# KiCad board FSKGroundStation.kicad_pcb (continued)
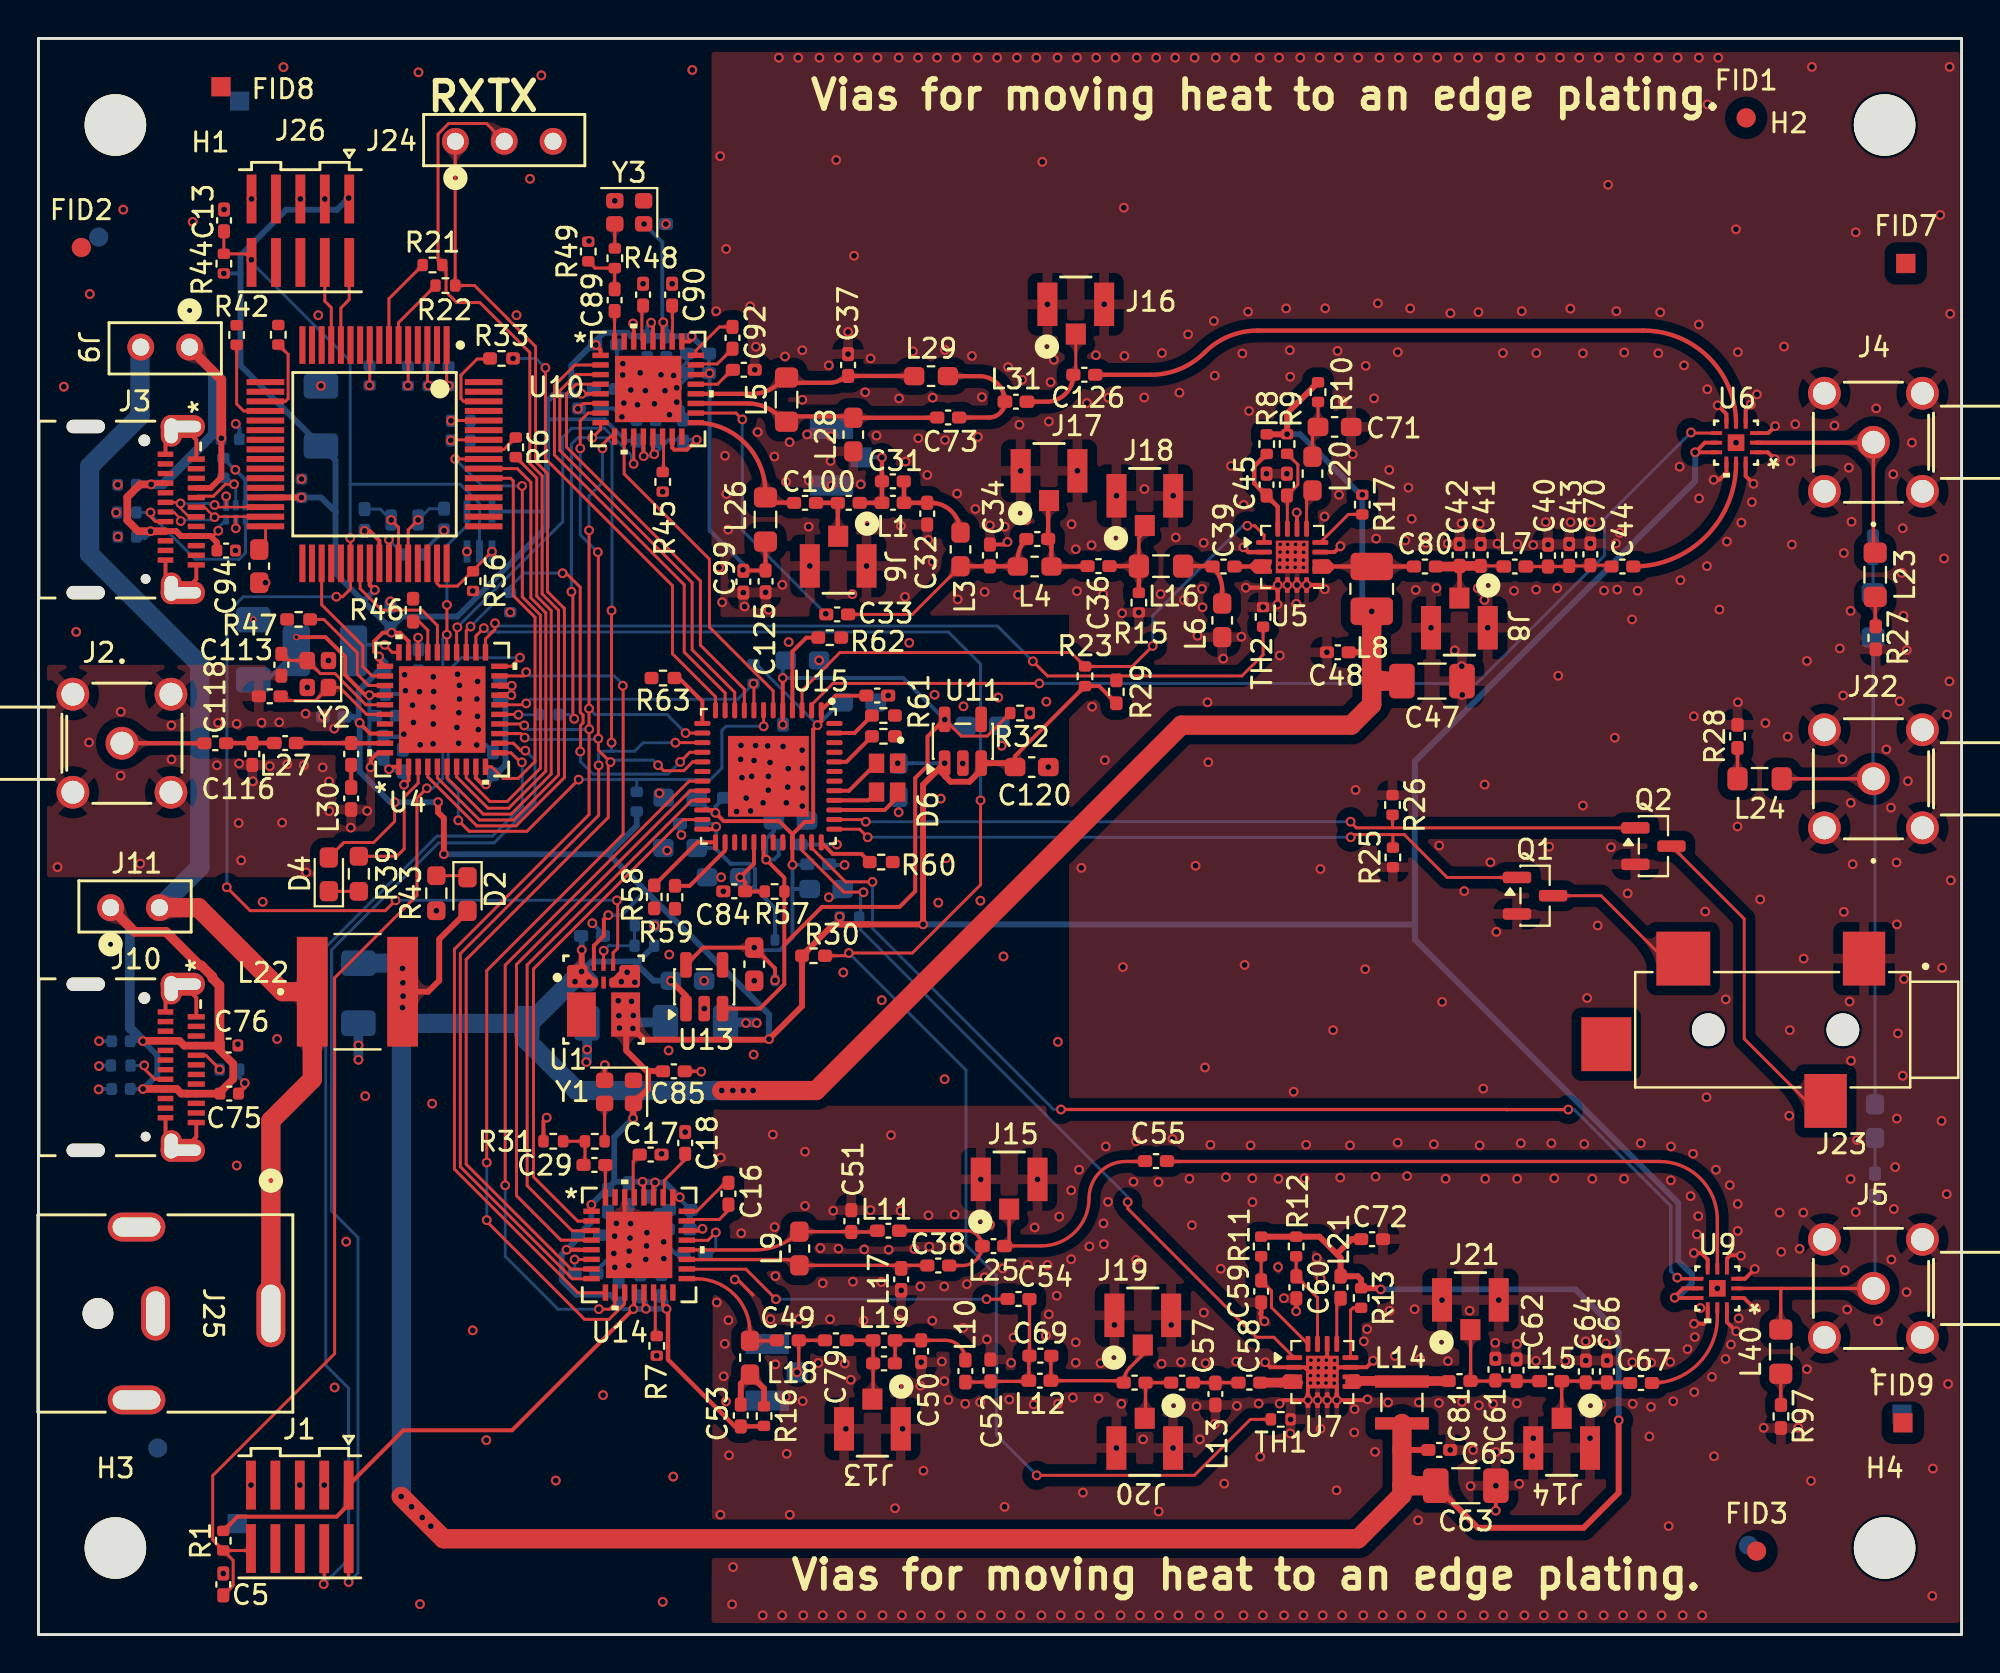
[diagram p0: board, top side]
## Placement (name value [footprint] x y rotation side) (continued)
R43  2.4KΩ  [R_0603_1608Metric_Pad0.98x0.95mm_HandSolder]  20.69 38.55 270 top
R44  10K  [R_0402_1005Metric]  9.64 71.29 270 top
R45  56K 1%  [R_0402_1005Metric]  32.46 59.94 90 top
R46  22Ω  [R_0402_1005Metric_Pad0.72x0.64mm_HandSolder]  19.48 53.27 90 top  (not fitted)
R47  0Ω  [R_0402_1005Metric_Pad0.72x0.64mm_HandSolder]  13.53 52.79 180 top  (not fitted)
R48  0Ω  [R_0402_1005Metric]  29.97 71.57 90 top
R49  0Ω  [R_0402_1005Metric]  28.59 71.92 270 top  (not fitted)
R50  0Ω  [R_0402_1005Metric]  20.28 65.44 90 bottom  (not fitted)
R51  0Ω  [R_0402_1005Metric]  21.33 65.43 90 bottom  (not fitted)
R52  0Ω  [R_0402_1005Metric]  21.96 63.12 0 bottom  (not fitted)
R53  0Ω  [R_0402_1005Metric]  21.95 62.1 0 bottom  (not fitted)
R54  0Ω  [R_0402_1005Metric]  17.22 65.47 90 bottom  (not fitted)
R55  0Ω  [R_0402_1005Metric]  19.21 65.45 90 bottom  (not fitted)
R56  10K  [R_0402_1005Metric]  22.6 54.78 270 top
R57  100  [R_0402_1005Metric]  38.28 38.64 180 top
R58  0Ω  [R_0402_1005Metric_Pad0.72x0.64mm_HandSolder]  32.02 38.36 270 top  (not fitted)
R59  0Ω  [R_0402_1005Metric_Pad0.72x0.64mm_HandSolder]  33.1 38.34 270 top  (not fitted)
R60  0Ω  [R_0402_1005Metric_Pad0.72x0.64mm_HandSolder]  43.82 40.17 0 top  (not fitted)
R61  0Ω  [R_0402_1005Metric_Pad0.72x0.64mm_HandSolder]  43.94 47.79 0 top  (not fitted)
R62  0Ω  [R_0402_1005Metric_Pad0.72x0.64mm_HandSolder]  41.15 51.84 0 top  (not fitted)
R63  0Ω  [R_0402_1005Metric_Pad0.72x0.64mm_HandSolder]  32.48 49.74 180 top  (not fitted)
R97  10K  [R_0402_1005Metric_Pad0.72x0.64mm_HandSolder]  90.61 11.34 270 top
TH1  NTCG103JF103FTDS 10KΩ@25C  [R_0402_1005Metric]  64.6 11.19 0 top
TH2  NTCG103JF103FTDS 10KΩ@25C  [R_0402_1005Metric]  63.68 52.92 90 top
U1  TPSM861253RDXR  [RDX0007A-MFG]  29.38 32.92 0 top
U3  MSPM0G5187SPMR  [PM0064A-IPC_A]  17.48 61.38 270 top
U4  CC2755P105E0WRHAR  [RHA40_4P5X4P5]  21 48.1 90 top
U5  GRF5604  [QFN-16-1EP_3x3mm_P0.5mm_EP1.7x1.7mm]  65.19 56.04 0 top
U6  SKYA21003  [QFN12_SKYA21003_SKY]  88.27 61.98 180 top
U7  GRF5604  [QFN-16-1EP_3x3mm_P0.5mm_EP1.7x1.7mm]  66.76 13.65 0 top
U8  TPD4E004DRYR  [DRY6]  10.26 58.35 270 bottom
U9  SKYA21003  [QFN12_SKYA21003_SKY]  87.3 18 180 top
U10  CC1125RHBR  [RHB32_3P45X3P45_TEX]  31.71 64.77 0 top
U11  TLV77512PDBVR  [SOT-23-5]  48.07 46.45 90 top
U12  SN74AHC1G09QDCKRQ1  [DCK5]  22.93 57.36 90 bottom
U13  TLV77533PDBVR  [SOT-23-5]  34.62 33.69 90 top
U14  CC1125RHBR  [RHB32_3P45X3P45_TEX]  31.24 20.26 0 top
U15  ICE40UP5K-SG48ITR  [QFN50P700X700X100-49N]  37.95 44.63 270 top
Y1  OW2EL89CENUXK7YLC-40M  [Oscillator_SMD_SiT_PQFN-4Pin_2.0x1.6mm]  30.19 28.22 180 top
Y2  48MHZ 7PF 20ppm  [Crystal_SMD_2016-4Pin_2.0x1.6mm]  14.53 49.95 90 top
Y3  OW2EL89CENUXK7YLC-40M  [Oscillator_SMD_SiT_PQFN-4Pin_2.0x1.6mm]  30.72 73.96 180 top
Y4  32.768KHz 12.5pF 20ppm  [Crystal_SMD_2012-2Pin_2.0x1.2mm]  19.04 57.96 0 bottom

## Library data of the parts
C1-C111 C113-C115 C119-C128 C130-C139 = -: Description: Unpolarized capacitor; ki_fp_filters: C_*
C112 C116-C118 C129 = -: ki_fp_filters: C_*
D1 = -: Datasheet: https://datasheet.lcsc.com/lcsc/2204281430_Guangdong-Hottech-1N5819WS_C191023.pdf; Description: 40V 600mV@1A 1A SOD-323 Schottky Barrier Diodes, SOD-323; ki_fp_filters: D*SOD?323*
D2 D4 = -: Description: Light emitting diode; Sim.Pins: 1=K 2=A; ki_fp_filters: LED* LED_SMD:* LED_THT:*
D6 = -: MF: Cree Inc.; MAXIMUM_PACKAGE_HEIGHT: 1 mm; Package: SMD-4 Cree Inc.; Price: None; Check_prices: https://www.snapeda.com/parts/CLMVC-FKA-CLBDGL7LBB79353/Cree/view-part/?ref=eda; STANDARD: Manufacturer Recommendations; PARTREV: 14; SnapEDA_Link: https://www.snapeda.com/parts/CLMVC-FKA-CLBDGL7LBB79353/Cree/view-part/?ref=snap; Description_1: Red, Green, Blue (RGB) 622nm Red, 530nm Green, 470nm Blue LED Indication - Discrete 2V Red, 3V Green, 3V Blue 4-SMD, J-Lead; Availability: In Stock; MANUFACTURER: Cree Inc.
FID1-FID12 = -: Description: Fiducial Marker; ki_fp_filters: Fiducial*
H1-H4 = -: Description: Mounting Hole without connection; ki_fp_filters: MountingHole*
J1 J26 = -: Description: Connector for ARM Coretex-M 10-pin JTAG; ki_fp_filters: Connector*:*_2x??_*
J2 J4 J5 J22 = -: ki_fp_filters: CONN_BWSMA-KWE-Z001_BAT
J3 J10 = -: ki_fp_filters: CX90B1-24P_HIR
J9 J11 = -: ki_fp_filters: CON2_1X2_TU_TSW
J23 = -: PARTREV: 1.03; MF: CUI Inc; STANDARD: Manufacturer recommendations
J24 = -: ki_fp_filters: CON3_1X3_TU_TSW
J25 = -: ki_fp_filters: PJ-063BH_CUD
L1-L13 L15-L21 L25 L26 L28 L29 L31 = -: Description: Inductor; ki_fp_filters: Choke_* *Coil* Inductor_* L_*
L14 = -: Description: Inductor; MF: Coilcraft; MAXIMUM_PACKAGE_HEIGHT: 2.032mm; Package: None; Check_prices: https://www.snapeda.com/parts/0908SQ-23NJLC/Coilcraft/view-part/?ref=eda; STANDARD: Manufacturer Recommendations; PARTREV: 12/21/22; SnapEDA_Link: https://www.snapeda.com/parts/0908SQ-23NJLC/Coilcraft/view-part/?ref=snap; MP: 0908SQ-23NJLC; Purchase-URL: https://www.snapeda.com/api/url_track_click_mouser/?unipart_id=1604741&manufacturer=Coilcraft&part_name=0908SQ-23NJLC&search_term=0908sq-23njlc; Description_1: RF inductor, air core, 5% tol, SMT, RoHS; MANUFACTURER: Coilcraft
L22 = -: Description: Inductor; DigiKey_Part_Number: 490-14063-1-ND; SnapEDA_Link: https://www.snapeda.com/parts/1255AY-6R8M=P3/Murata/view-part/?ref=snap; MAXIMUM_PACKAGE_HEIGHT: 4.5mm; Package: NONSTANDARD; Check_prices: https://www.snapeda.com/parts/1255AY-6R8M=P3/Murata/view-part/?ref=eda; STANDARD: Manufacturer Recommendations; PARTREV: N/A; MF: Murata; MP: 1255AY-6R8M=P3; Description_1: Inductor with Inductance: 6.8uH Tol. +/-20%, Package: 2424 (6060); MANUFACTURER: Murata
L23 L24 L27 L30 L35 L40 L44 = -: ki_fp_filters: Choke_* *Coil* Inductor_* L_*
Q1 Q2 = -: Datasheet: https://www.onsemi.com/pub/Collateral/BSS138-D.PDF; Description: 50V Vds, 0.22A Id, N-Channel MOSFET, SOT-23; ki_fp_filters: SOT?23*
R1-R26 R31-R37 R39-R63 = -: Description: Resistor; ki_fp_filters: R_*
R27-R30 R97 = -: ki_fp_filters: R_*
TH1 TH2 = -: Description: Temperature dependent resistor, negative temperature coefficient; ki_fp_filters: R_* RV_*
U1 = -: Datasheet: https://www.ti.com/lit/gpn/tpsm861253; ki_fp_filters: RDX0007A-MFG
U3 = -: Datasheet: https://www.ti.com/lit/gpn/mspm0g5187; ki_fp_filters: PM0064A-IPC_A PM0064A-IPC_B PM0064A-IPC_C PM0064A-MFG
U4 = -: Datasheet: https://www.ti.com/lit/gpn/cc2745p10; ki_fp_filters: RHA40_4P5X4P5
U5 U7 = -: Datasheet: https://www.guerrilla-rf.com/products/DataSheet?sku=5604&file_name=GRF5604DS.pdf; Description: High Efficiency 6 Watt Power Amplifier 100-600MHz; ki_fp_filters: TQFN*1EP*5x5mm*P0.8mm*
U6 U9 = -: ki_fp_filters: QFN12_SKYA21003_SKY QFN12_SKYA21003_SKY-M QFN12_SKYA21003_SKY-L
U8 = -: ki_fp_filters: DRY6
U10 U14 = -: Datasheet: https://www.ti.com/lit/gpn/cc1125; ki_fp_filters: RHB32_3P45X3P45_TEX
U11 = -: Datasheet: https://www.ti.com/product/TLV775; Description: 1.2V LDO 500ma; ki_fp_filters: SOT?23*
U12 = -: Datasheet: https://www.ti.com/lit/gpn/sn74ahc1g09-q1; ki_fp_filters: DCK5 DCK5-M DCK5-L
U13 = -: Datasheet: https://www.ti.com/product/TLV775; Description: 3.3V LDO 500ma; ki_fp_filters: SOT?23*
U15 = -: DigiKey_Part_Number: 220-2155-1-ND; SnapEDA_Link: https://www.snapeda.com/parts/ICE5LP1K-SG48ITR/Lattice+Semiconductor/view-part/?ref=snap; Description_1: iCE40 Ultra™ Field Programmable Gate Array (FPGA) IC 39 65536 1100 48-VFQFN Exposed Pad; Package: QFN-48 Lattice Semiconductor; Check_prices: https://www.snapeda.com/parts/ICE5LP1K-SG48ITR/Lattice+Semiconductor/view-part/?ref=eda; MF: Lattice Semiconductor; MP: ICE5LP1K-SG48ITR; MANUFACTURER: Lattice Semiconductor
Y1 Y3 = -: Description: TXCO 2.0mmx1.6mm; ki_fp_filters: Oscillator*SMD*EuroQuartz*XO32*3.2x2.5mm*
Y2 = -: Description: Four pin crystal, GND on pins 2 and 4; ki_fp_filters: Crystal*
Y4 = -: Description: Two pin crystal; ki_fp_filters: Crystal*

## Footprints (pads in the part's own frame, mm; a bottom-side part is the same pattern mirrored in y, then rotated)
C_0402_1005Metric
  rrect 0.56x0.62 smd: 1(-0.48,0) 2(0.48,0)
C_0402_1005Metric_Pad0.74x0.62mm_HandSolder
  rrect 0.735x0.62 smd: 1(-0.568,0) 2(0.568,0)
C_0603_1608Metric_Pad1.08x0.95mm_HandSolder
  rrect 1.075x0.95 smd: 1(-0.863,0) 2(0.863,0)
C_1206_3216Metric_Pad1.33x1.80mm_HandSolder
  rrect 1.325x1.8 smd: 1(-1.562,0) 2(1.562,0)
CON2_1X2_TU_TSW
  round 1.397 hole 0.889: 1(-1.27,0) 2(1.27,0)
CON3_1X3_TU_TSW
  round 1.397 hole 0.889: 1(-2.54,0) 2(0,0) 3(2.54,0)
CONN1_CONUFL_TEC
  rect 1.041x1.092 smd: 1(0,-1.545)
  rect 1.041x2.261 smd: 2(-1.475,0) 3(1.475,0)
CONN_BWSMA-KWE-Z001_BAT
  round 1.702 hole 1.194: 1(0,0) 2(-2.55,2.55) 3(-2.55,-2.55) 4(2.55,-2.55) 5(2.55,2.55)
Crystal_SMD_2012-2Pin_2.0x1.2mm
  rrect 0.6x1.1 smd: 1(-0.7,0) 2(0.7,0)
Crystal_SMD_2016-4Pin_2.0x1.6mm
  rrect 0.9x0.8 smd: 1(-0.7,-0.55) 2(0.7,-0.55) 3(0.7,0.55) 4(-0.7,0.55)
CUI_SJ-3524-SMT
  round 1.7 hole 1.7 unplated: (0,0) (7,0)
  rect 2.2x2.8 smd: 1(-1.1,-3.7) 3(0.9,3.7)
  rect 2.8x2.8 smd: 2(8.3,-3.7)
  rect 2.6x2.8 smd: 4(12.3,0.75)
CX90B1-24P_HIR
  round 0.61 hole 0.61 unplated: (-3.6,1.277)
  round 0.508 hole 0.85x0.508 unplated: (3.606,1.342)
  oval 1.194x2.311 hole 0.6x1.9: 25(-4.32,3.277) 26(4.32,3.277)
  oval 1.651x1.092 hole 1.3x0.7: 25(-4.095,2.677) 26(4.095,2.677)
  oval 1.295x2.591 hole 0.7x2: 27(-4.32,-1.773) 28(4.32,-1.773)
  rect 0.279x0.889 smd: A1(-2.625,3.977) A2(-2.125,3.977) A3(-1.625,3.977) A4(-1.125,3.977) A5(-0.625,3.977) A6(-0.125,3.977) A7(0.375,3.977) A8(0.875,3.977) A9(1.375,3.977) A10(1.875,3.977) A11(2.375,3.977) A12(2.875,3.977)
  rect 0.279x0.813 smd: B1(2.625,2.377) B2(2.125,2.377) B3(1.625,2.377) B4(1.125,2.377) B5(0.625,2.377) B6(0.125,2.377) B7(-0.375,2.377) B8(-0.875,2.377) B9(-1.375,2.377) B10(-1.875,2.377) B11(-2.375,2.377) B12(-2.875,2.377)
D_SOD-323
  rrect 0.6x0.45 smd: 1(-1.05,0) 2(1.05,0)
DCK5
  rect 1.168x0.356 smd: 1(-1.041,0.65) 2(-1.041,0) 3(-1.041,-0.65) 4(1.041,-0.65) 5(1.041,0.65)
DRY6
  rect 0.55x0.3 smd: 1(-0.355,0.5)
  rect 0.52x0.3 smd: 2(-0.37,0) 3(-0.37,-0.5) 4(0.37,-0.5) 5(0.37,0) 6(0.37,0.5)
Fiducial_1mm_Mask2mm
  round 1 smd: (0,0)
Fiducial_Square_1mm_Mask2mm
  rect 1x1 smd: (0,0)
FTSH-105-01-L-DV-K
  rect 0.508x2.54 smd: 1(-2.54,-1.651) 2(-2.54,1.651) 3(-1.27,-1.651) 4(-1.27,1.651) 5(0,-1.651) 6(0,1.651) 7(1.27,-1.651) 8(1.27,1.651) 9(2.54,-1.651) 10(2.54,1.651)
IND_0908SQ-23NJLC
  rect 0.64x2.8 smd: 1(-1.09,0) 2(1.09,0)
IND_1255AY-6R8M=P3
  rect 1.6x5.7 smd: 1(-2.35,0) 2(2.35,0)
L_0402_1005Metric_Pad0.77x0.64mm_HandSolder
  rrect 0.765x0.64 smd: 1(-0.573,0) 2(0.573,0)
L_0603_1608Metric_Pad1.05x0.95mm_HandSolder
  rrect 1.05x0.95 smd: 1(-0.875,0) 2(0.875,0)
L_0805_2012Metric_Pad1.05x1.20mm_HandSolder
  rrect 1.05x1.2 smd: 1(-1.15,0) 2(1.15,0)
L_1008_2520Metric_Pad1.43x2.20mm_HandSolder
  rrect 1.425x2.2 smd: 1(-1.163,0) 2(1.163,0)
L_1210_3225Metric_Pad1.42x2.65mm_HandSolder
  rrect 1.425x2.65 smd: 1(-1.488,0) 2(1.488,0)
LED_0603_1608Metric_Pad1.05x0.95mm_HandSolder
  rrect 1.05x0.95 smd: 1(-0.875,0) 2(0.875,0)
LED_CLMVC-FKA-CLBDGL7LBB79353
  rect 1x0.8 smd: 1(-0.75,0.55) 2(0.75,0.55) 3(0.75,-0.55) 4(-0.75,-0.55)
MountingHole_3.2mm_M3
  round 3.2 hole 3.2 unplated: (0,0)
Oscillator_SMD_SiT_PQFN-4Pin_2.0x1.6mm
  rrect 0.9x0.8 smd: 1(-0.75,-0.6) 2(0.75,-0.6) 3(0.75,0.6) 4(-0.75,0.6)
PJ-063BH_CUD
  round 1.6 hole 1.6 unplated: (0,-8.992)
  oval 3.505x1.499 hole 2.997x0.991: 1(0,0)
  oval 1.499x2.997 hole 0.991x2.489: 2(-4.496,-6.985) 2(4.496,-6.985)
  oval 2.819x1.499 hole 2.311x0.991: 2(0,-5.994)
PM0064A-IPC_A
  rect 1.955x0.312 smd: 1(-5.675,3.75) 2(-5.675,3.25) 3(-5.675,2.75) 4(-5.675,2.25) 5(-5.675,1.75) 6(-5.675,1.25) 7(-5.675,0.75) 8(-5.675,0.25) 9(-5.675,-0.25) 10(-5.675,-0.75) 11(-5.675,-1.25) 12(-5.675,-1.75) 13(-5.675,-2.25) 14(-5.675,-2.75) 15(-5.675,-3.25) 16(-5.675,-3.75) 33(5.675,-3.75) 34(5.675,-3.25) 35(5.675,-2.75) 36(5.675,-2.25) 37(5.675,-1.75) 38(5.675,-1.25) 39(5.675,-0.75) 40(5.675,-0.25) 41(5.675,0.25) 42(5.675,0.75) 43(5.675,1.25) 44(5.675,1.75) 45(5.675,2.25) 46(5.675,2.75) 47(5.675,3.25) 48(5.675,3.75)
  rect 0.312x1.955 smd: 17(-3.75,-5.675) 18(-3.25,-5.675) 19(-2.75,-5.675) 20(-2.25,-5.675) 21(-1.75,-5.675) 22(-1.25,-5.675) 23(-0.75,-5.675) 24(-0.25,-5.675) 25(0.25,-5.675) 26(0.75,-5.675) 27(1.25,-5.675) 28(1.75,-5.675) 29(2.25,-5.675) 30(2.75,-5.675) 31(3.25,-5.675) 32(3.75,-5.675) 49(3.75,5.675) 50(3.25,5.675) 51(2.75,5.675) 52(2.25,5.675) 53(1.75,5.675) 54(1.25,5.675) 55(0.75,5.675) 56(0.25,5.675) 57(-0.25,5.675) 58(-0.75,5.675) 59(-1.25,5.675) 60(-1.75,5.675) 61(-2.25,5.675) 62(-2.75,5.675) 63(-3.25,5.675) 64(-3.75,5.675)
QFN12_SKYA21003_SKY
  rect 0.584x0.203 smd: 1(-1.016,0.5) 2(-1.016,0) 3(-1.016,-0.5) 7(1.016,-0.5) 8(1.016,0) 9(1.016,0.5)
  rect 0.203x0.584 smd: 4(-0.5,-1.016) 5(0,-1.016) 6(0.5,-1.016) 10(0.5,1.016) 11(0,1.016) 12(-0.5,1.016)
  rect 0.864x0.864 smd: 13(0,0)
QFN50P700X700X100-49N
  rrect 0.84x0.26 smd: 1(-3.435,2.75) 2(-3.435,2.25) 3(-3.435,1.75) 4(-3.435,1.25) 5(-3.435,0.75) 6(-3.435,0.25) 7(-3.435,-0.25) 8(-3.435,-0.75) 9(-3.435,-1.25) 10(-3.435,-1.75) 11(-3.435,-2.25) 12(-3.435,-2.75) 25(3.435,-2.75) 26(3.435,-2.25) 27(3.435,-1.75) 28(3.435,-1.25) 29(3.435,-0.75) 30(3.435,-0.25) 31(3.435,0.25) 32(3.435,0.75) 33(3.435,1.25) 34(3.435,1.75) 35(3.435,2.25) 36(3.435,2.75)
  rrect 0.26x0.84 smd: 13(-2.75,-3.435) 14(-2.25,-3.435) 15(-1.75,-3.435) 16(-1.25,-3.435) 17(-0.75,-3.435) 18(-0.25,-3.435) 19(0.25,-3.435) 20(0.75,-3.435) 21(1.25,-3.435) 22(1.75,-3.435) 23(2.25,-3.435) 24(2.75,-3.435) 37(2.75,3.435) 38(2.25,3.435) 39(1.75,3.435) 40(1.25,3.435) 41(0.75,3.435) 42(0.25,3.435) 43(-0.25,3.435) 44(-0.75,3.435) 45(-1.25,3.435) 46(-1.75,3.435) 47(-2.25,3.435) 48(-2.75,3.435)
  rect 4.2x4.2 smd: 49(0,0)
QFN-16-1EP_3x3mm_P0.5mm_EP1.7x1.7mm
  rrect 0.69x0.69 smd: (-0.425,0.425) (-0.425,-0.425) (0.425,0.425) (0.425,-0.425)
  rrect 0.825x0.25 smd: 1(-1.462,0.75) 2(-1.462,0.25) 3(-1.462,-0.25) 4(-1.462,-0.75) 9(1.462,-0.75) 10(1.462,-0.25) 11(1.462,0.25) 12(1.462,0.75)
  rrect 0.25x0.825 smd: 5(-0.75,-1.462) 6(-0.25,-1.462) 7(0.25,-1.462) 8(0.75,-1.462) 13(0.75,1.462) 14(0.25,1.462) 15(-0.25,1.462) 16(-0.75,1.462)
  rect 1.7x1.7 smd: 17(0,0)
R_0402_1005Metric
  rrect 0.54x0.64 smd: 1(-0.51,0) 2(0.51,0)
R_0402_1005Metric_Pad0.72x0.64mm_HandSolder
  rrect 0.715x0.64 smd: 1(-0.598,0) 2(0.598,0)
R_0603_1608Metric_Pad0.98x0.95mm_HandSolder
  rrect 0.975x0.95 smd: 1(-0.912,0) 2(0.912,0)
RDX0007A-MFG
  custom 1.61x1.175 smd: 1(-1.362,1.312) 4(1.34,1.28)
  rect 1.5x2.3 smd: 2(-1.15,-0.675) 3(1.15,-0.675)
  rect 0.22x0.6 smd: 5(0.5,1.9) 6(0,1.9) 7(-0.5,1.9)
RHA40_4P5X4P5
  rect 0.85x0.28 smd: 1(-2.975,2.25) 2(-2.975,1.75) 3(-2.975,1.25) 4(-2.975,0.75) 5(-2.975,0.25) 6(-2.975,-0.25) 7(-2.975,-0.75) 8(-2.975,-1.25) 9(-2.975,-1.75) 10(-2.975,-2.25) 21(2.975,-2.25) 22(2.975,-1.75) 23(2.975,-1.25) 24(2.975,-0.75) 25(2.975,-0.25) 26(2.975,0.25) 27(2.975,0.75) 28(2.975,1.25) 29(2.975,1.75) 30(2.975,2.25)
  rect 0.28x0.85 smd: 11(-2.251,-2.975) 12(-1.75,-2.975) 13(-1.25,-2.975) 14(-0.75,-2.975) 15(-0.25,-2.975) 16(0.25,-2.975) 17(0.75,-2.975) 18(1.25,-2.975) 19(1.75,-2.975) 20(2.251,-2.975) 31(2.251,2.975) 32(1.75,2.975) 33(1.25,2.975) 34(0.75,2.975) 35(0.25,2.975) 36(-0.25,2.975) 37(-0.75,2.975) 38(-1.25,2.975) 39(-1.75,2.975) 40(-2.251,2.975)
  rect 4.5x4.5 smd: 41(0,0)
RHB32_3P45X3P45_TEX
  rect 0.85x0.28 smd: 1(-2.475,1.75) 2(-2.475,1.25) 3(-2.475,0.75) 4(-2.475,0.25) 5(-2.475,-0.25) 6(-2.475,-0.75) 7(-2.475,-1.25) 8(-2.475,-1.75) 17(2.475,-1.75) 18(2.475,-1.25) 19(2.475,-0.75) 20(2.475,-0.25) 21(2.475,0.25) 22(2.475,0.75) 23(2.475,1.25) 24(2.475,1.75)
  rect 0.28x0.85 smd: 9(-1.75,-2.475) 10(-1.25,-2.475) 11(-0.75,-2.475) 12(-0.25,-2.475) 13(0.25,-2.475) 14(0.75,-2.475) 15(1.25,-2.475) 16(1.75,-2.475) 25(1.75,2.475) 26(1.25,2.475) 27(0.75,2.475) 28(0.25,2.475) 29(-0.25,2.475) 30(-0.75,2.475) 31(-1.25,2.475) 32(-1.75,2.475)
  rect 3.45x3.45 smd: 33(0,0)
SOT-23
  rrect 1.475x0.6 smd: 1(-0.938,0.95) 2(-0.938,-0.95) 3(0.938,0)
SOT-23-5
  rrect 1.325x0.6 smd: 1(-1.137,0.95) 2(-1.137,0) 3(-1.137,-0.95) 4(1.137,-0.95) 5(1.137,0.95)

## Nets
+3.3V: C2.2 C3.2 C4.2 C7.2 C8.2 C9.2 C12.1 C19.2 C20.2 C21.2 C22.2 C23.2 C24.2 C25.2 C26.2 C27.2 C53.2 C83.2 C85.2 C87.2 C97.2 C98.2 C99.2 C101.2 C102.2 C103.2 C104.2 C105.2 C106.2 C107.2 C120.2 C121.2 C125.2 C139.2 D4.2 D6.1 J1.1 J26.1 L26.2 R1.2 R16.2 R23.2 R24.2 R29.1 R30.1 R36.2 R44.2 R56.2 U1.3 U1.7 U3.29 U3.40 U4.9 U4.17 U4.18 U4.29 U4.31 U4.38 U6.8 U6.9 U9.8 U9.9 U10.1 U10.5 U10.12 U10.13 U10.15 U10.22 U10.25 U10.27 U10.28 U11.1 U11.3 U12.5 U14.1 U14.5 U14.12 U14.13 U14.15 U14.22 U14.25 U14.27 U14.28 Y1.4 Y3.4
+5V: C1.1 C11.1 C47.2 C48.2 C63.2 C65.2 C72.2 C78.2 C123.2 D2.2 L8.2 L14.1 L21.2 L22.2 R2.2 R8.2 R9.1 R10.1 R11.2 R12.2 R13.1 R17.1 U1.1 U13.1
+5Vin: J9.2 J11.2 J25.1 L22.1
/CPU/VDDR: C15.2 C108.2 C109.2 C110.2 L2.1 U4.1 U4.2 U4.34
GND: C1.2 C2.1 C3.1 C4.1 C5.1 C6.1 C7.1 C8.1 C9.1 C10.1 C11.2 C12.2 C13.1 C14.1 C15.1 C17.1 C18.1 C19.1 C20.1 C21.1 C22.1 C23.1 C24.1 C25.1 C26.1 C27.1 C28.1 C32.1 C34.1 C37.1 C40.1 C41.1 C42.1 C43.1 C45.1 C46.1 C47.1 C48.1 C50.1 C51.1 C52.1 C59.1 C60.1 C61.1 C62.1 C63.1 C64.1 C65.1 C66.1 C70.1 C71.1 C72.1 C74.2 C75.2 C76.2 C77.2 C78.1 C82.1 C83.1 C84.1 C85.1 C86.1 C87.1 C88.1 C90.1 C91.1 C93.2 C94.2 C95.2 C96.2 C97.1 C98.1 C99.1 C101.1 C102.1 C103.1 C104.1 C105.1 C106.1 C107.1 C108.1 C109.1 C110.1 C111.1 C113.1 C114.1 C115.1 C116.1 C119.1 C120.1 C121.1 C122.1 C123.1 C124.1 C125.1 C127.1 C128.1 C130.1 C131.1 C132.1 C133.1 C134.1 C135.1 C136.1 C137.1 C138.1 C139.1 J1.3 J1.5 J1.9 J2.2 J2.3 J2.4 J2.5 J3.25 J3.26 J3.27 J3.28 J3.A1 J3.A12 J3.B1 J3.B12 J4.2 J4.3 J4.4 J4.5 J5.2 J5.3 J5.4 J5.5 J6.2 J6.3 J7.2 J7.3 J8.2 J8.3 J10.25 J10.26 J10.27 J10.28 J10.A1 J10.A12 J10.B1 J10.B12 J12.2 J12.3 J13.2 J13.3 J14.2 J14.3 J15.2 J15.3 J16.2 J16.3 J17.2 J17.3 J18.2 J18.3 J19.2 J19.3 J20.2 J20.3 J21.2 J21.3 J22.2 J22.3 J22.4 J22.5 J23.1 J24.3 J25.2 J26.3 J26.5 J26.9 L6.1 L13.1 L17.1 L28.1 L30.1 Q1.2 Q2.2 R3.1 R4.1 R5.1 R7.1 R15.1 R18.1 R19.1 R25.1 R26.1 R27.2 R28.2 R31.1 R32.1 R34.1 R40.1 R43.2 R45.1 R49.1 R97.2 TH1.2 TH2.2 U1.4 U3.41 U4.40 U4.41 U5.2 U5.5 U5.6 U5.7 U5.8 U5.11 U5.14 U5.17 U6.1 U6.3 U6.4 U6.6 U6.10 U6.12 U6.13 U7.2 U7.5 U7.6 U7.7 U7.8 U7.11 U7.14 U7.17 U8.3 U9.1 U9.3 U9.4 U9.6 U9.10 U9.12 U9.13 U10.30 U10.33 U11.2 U12.3 U13.2 U14.30 U14.33 U15.49 Y1.2 Y2.2 Y2.4 Y3.2
2.4G_ANT: C117.2 L27.1 U4.39
32.768KHz: U3.39 U4.26
144_PA: C30.1 C100.2 J6.1
144_PA_TEMP: R29.2 TH2.1 U4.21
144_RF_N: C37.2 L5.2 L29.1 U10.20
144_RF_P: C73.1 L5.1 L28.2 U10.19
144_SWITCH: U6.7 U15.2
144_TRX_SW: C33.1 U10.18
144MHz_TX_ENABLE: R23.1 U5.1 U15.3
440_PA: C49.2 C79.1 J12.1
440_PA_TEMP: R30.2 TH1.1 U4.22
440_RX_N: C51.2 L9.2 L11.1 U14.20
440_RX_P: C38.1 L9.1 L17.2 U14.19
440_SWITCH: U9.7 U15.35
440_TRX_SW: C54.1 U14.18
440MHz_TX_ENABLE: R24.1 U7.1 U15.34
/144MHz/144_RX: C126.2 U6.5
/144MHz/144_TX: C44.2 U6.11
/440MHz/440_RX: C55.2 U9.5
/440MHz/440_TX: C67.2 U9.11
/CPU/CPU_RESET2_N: C5.2 J1.10 R1.1 U4.25 U12.4
/FPGA/FPGA_2.5V: C137.2 C138.2 D1.1 U15.24
/FPGA/FPGA_3.3V: C124.2 C131.2 C132.2 C133.2 C134.2 C135.2 C136.2 D1.2 R35.2 U13.5 U15.1 U15.22 U15.33
/FPGA/FPGA_VCC: C119.2 C122.2 C127.2 C128.2 C130.2 R32.2 R57.1 U11.5 U13.3 U15.5 U15.30
/USB/USB+: J3.A6 J3.B6 U3.31 U8.5
/USB/USB-: J3.A7 J3.B7 U3.30 U8.1
CPU_RESET_N: R56.1 U3.47 U12.1
FPGA_CDONE/IRQ_N: R36.1 U4.20 U15.7
FPGA_CLK: R33.2 U15.12
FPGA_RESET_N: R35.1 U4.16 U15.8
FPGA_SPI_SSEL: R34.2 U4.23 U15.16
RADIO1_GPIO0: U10.10 U15.6
RADIO1_GPIO2: U10.4 U15.9
RADIO1_GPIO3: U10.3 U15.10
RADIO1_RESET_N: U10.2 U15.11
RADIO1_SPI_SSEL: U4.24 U10.11
RADIO2_GPIO0: U14.10 U15.19
RADIO2_GPIO2: U14.4 U15.20
RADIO2_GPIO3: U14.3 U15.21
RADIO2_RESET_N: U14.2 U15.23
RADIO2_SPI_SSEL: U4.19 U14.11
RADIO_SPI_MISO: U4.14 U10.9 U14.9 U15.14
RADIO_SPI_MOSI: U4.13 U10.7 U14.7 U15.17
RADIO_SPI_SCLK: R20.1 U10.8 U14.8 U15.15
RESET_N: C13.2 J26.10 R44.1 U1.5 U3.38 U12.2
RF_144: C112.1 J4.1 L23.1 U6.2
RF_440: C129.2 J5.1 L40.1 U9.2
SWDCK: J1.4 U4.11
SWDIO: J1.2 U4.12
TX_144_ON: Q2.1 R26.2 U15.38
TX_440_ON: Q1.1 R25.2 U15.37
USB_DATA_READY: U3.35 U4.32
USB_RX: J24.1 R22.2 U4.4
USB_SPI_MISO: U3.56 U4.8
USB_SPI_MOSI: U3.55 U4.7
USB_SPI_SCLK: R6.2 U4.6
USB_SPI_SSEL: U3.54 U4.10
USB_TX: J24.2 R21.2 U4.5
USB_VBUS: C93.1 C94.1 C95.1 C96.1 J3.A4 J3.A9 J3.B4 J3.B9 J9.1 U8.6
Net-(C29-Pad2): C29.2 R14.1 R31.2
Net-(C31-Pad2): C31.2 C32.2 L1.2 L3.1
Net-(C33-Pad2): C33.2 C34.2 C35.1 L3.2 L4.1
Net-(C38-Pad2): C38.2 L11.2 L25.1
Net-(C39-Pad1): C39.1 L6.2 L16.2
Net-(C39-Pad2): C39.2 U5.3 U5.4
Net-(C40-Pad2): C40.2 C43.2 C44.1 C70.2 L7.2
Net-(C50-Pad2): C50.2 C68.2 L10.1 L19.2
Net-(C52-Pad2): C52.2 C54.2 C69.1 L10.2 L12.1
Net-(C53-Pad1): C53.1 L18.2 R16.1
Net-(C57-Pad2): C57.2 C58.1 L13.2
Net-(C58-Pad2): C58.2 U7.3 U7.4
Net-(C71-Pad2): C71.2 L20.2 R10.2
Net-(C73-Pad2): C73.2 L29.2 L31.1
Net-(C74-Pad1): C74.1 C75.1 C76.1 C77.1 J10.A4 J10.A9 J10.B4 J10.B9 J11.1
Net-(C80-Pad1): C80.1 L8.1 U5.9 U5.10
Net-(C81-Pad1): C81.1 L14.2 U7.9 U7.10
Net-(C89-Pad2): C89.2 R48.1 R49.2
Net-(C112-Pad2): C112.2 L35.1
Net-(C116-Pad2): C116.2 C118.1 L27.2
Net-(C117-Pad1): C117.1 L30.2
Net-(C118-Pad2): C118.2 J2.1
Net-(C129-Pad1): C129.1 L44.2
Net-(D2-K): D2.1 R43.1
Net-(D4-K): D4.1 R39.1
Net-(J3-CC1): J3.A5 R5.2 U8.2
Net-(J3-CC2): J3.B5 R4.2 U8.4
Net-(J7-In): C30.2 C31.1 J7.1 L1.1
Net-(J8-In): C41.2 C42.2 C80.2 J8.1 L7.1
Net-(J10-CC1): J10.A5 R18.2
Net-(J10-CC2): J10.B5 R19.2
Net-(J13-In): C68.1 C79.2 J13.1 L19.1
Net-(J14-In): C64.2 C66.2 C67.1 J14.1 L15.2
Net-(J15-In): C55.1 J15.1 L25.2
Net-(J16-In): C126.1 J16.1 L31.2
Net-(J17-In): C35.2 C36.1 J17.1 L4.2
Net-(J18-In): C36.2 J18.1 L16.1 R15.2
Net-(J19-In): C56.1 C69.2 J19.1 L12.2
Net-(J20-In): C56.2 C57.1 J20.1
Net-(J21-In): C61.2 C62.2 C81.2 J21.1 L15.1
Net-(J22-Pad1): J22.1 L24.1 L35.2 L44.1
Net-(J26-TCK): J26.4 U3.13
Net-(J26-TMS): J26.2 U3.12
Net-(L23-Pad2): L23.2 R27.1
Net-(L24-Pad2): L24.2 R28.1
Net-(L40-Pad2): L40.2 R97.1
Net-(Q1-D): J23.2 Q1.3
Net-(Q2-D): J23.3 Q2.3
Net-(U1-EN): R2.1 R3.2 U1.6
Net-(U3-PA2_ROSC): R40.2 U3.42
Net-(U3-PA3_LFXIN): C114.2 U3.43 Y4.1
Net-(U3-PA4_LFCLK_IN_LFXOUT): C115.2 U3.44 Y4.2
Net-(U3-PA11): R6.1 U3.57
Net-(U3-PA12_A0_18): R55.1 U3.5
Net-(U3-PA13_A0_17): R22.1 U3.6
Net-(U3-PA14_A0_16): R21.1 U3.7
Net-(U3-PA16_A0_14): R54.1 U3.9
Net-(U3-PB6): R53.1 U3.58
Net-(U3-PB8): R52.1 U3.60
Net-(U3-PB10): R33.1 U3.62
Net-(U3-PB13): R51.1 U3.1
Net-(U3-PB15_A0_20): R50.1 U3.3
Net-(U3-PB20_A0_6): R41.1 U3.19
Net-(U3-PB21_A0_25): R42.1 U3.20
Net-(U3-VCORE): C10.2 U3.32
Net-(U4-DCDC_SW): L2.2 U4.30
Net-(U4-DIO0): R39.2 U4.3
Net-(U4-DIO15): R20.2 U4.15
Net-(U4-DIO24_X32N): R46.1 U4.27
Net-(U4-DIO28_A0): R47.1 U4.33
Net-(U4-VDDD): C6.2 U4.28
Net-(U4-X48N): C111.2 U4.36 Y2.1
Net-(U4-X48P): C113.2 U4.35 Y2.3
Net-(U5-BIAS): R17.2 U5.12
Net-(U5-VCC1): L20.1 U5.13
Net-(U5-VENABLE1): C45.2 R8.1 U5.16
Net-(U5-VENABLE2): C46.2 R9.2 U5.15
Net-(U7-BIAS): R13.2 U7.12
Net-(U7-VCC1): L21.1 U7.13
Net-(U7-VENABLE1): C59.2 R11.1 U7.16
Net-(U7-VENABLE2): C60.2 R12.1 U7.15
Net-(U10-DCPL): C86.2 U10.6
Net-(U10-DCPL_PFD_CHP): C90.2 U10.26
Net-(U10-DCPL_VCO): C88.2 U10.21
Net-(U10-DCPL_XOSC): C91.2 U10.29
Net-(U10-EXT_XOSC): C89.1 U10.32
Net-(U10-LPF0): C92.1 U10.23
Net-(U10-LPF1): C92.2 U10.24
Net-(U10-PA): C100.1 L26.1 U10.17
Net-(U10-RBIAS): R45.2 U10.14
Net-(U14-DCPL): C28.2 U14.6
Net-(U14-DCPL_PFD_CHP): C18.2 U14.26
Net-(U14-DCPL_VCO): C14.2 U14.21
Net-(U14-DCPL_XOSC): C17.2 U14.29
Net-(U14-EXT_XOSC): C29.1 U14.32
Net-(U14-LPF0): C16.1 U14.23
Net-(U14-LPF1): C16.2 U14.24
Net-(U14-PA): C49.1 L18.1 U14.17
Net-(U14-RBIAS): R7.2 U14.14
Net-(U15-IOB_2A): R61.1 U15.47
Net-(U15-IOB_3B_G6): R37.1 U15.44
Net-(U15-IOB_8A): R62.1 U15.4
Net-(U15-IOB_24A): R63.1 U15.13
Net-(U15-IOT_36B): R58.1 U15.25
Net-(U15-IOT_39A): R59.1 U15.26
Net-(U15-IOT_48B): R60.1 U15.36
Net-(U15-RGB0): D6.4 U15.41
Net-(U15-RGB1): D6.3 U15.40
Net-(U15-RGB2): D6.2 U15.39
Net-(U15-VCCPLL): C82.2 C84.2 R57.2 U15.29
Net-(Y1-OUT): R14.2 Y1.3
Net-(Y3-OUT): R48.2 Y3.3

Pads without a net: J1 6 7 8; J3 A2 A3 A8 A10 A11 B2 B3 B8 B10 B11; J10 A2 A3 A6 A7 A8 A10 A11 B2 B3 B6 B7 B8 B10 B11; J23 4; J26 6 7 8; R37 2; R41 2; R42 2; R46 2; R47 2; R50 2; R51 2; R52 2; R53 2; R54 2; R55 2; R58 2; R59 2; R60 2; R61 2; R62 2; R63 2; U1 2; U3 2 4 8 10 11 14 15 16 17 18 21 22 23 24 25 26 27 28 33 34 36 37 45 46 48 49 50 51 52 53 59 61 63 64; U4 37; U10 16 31; U11 4; U13 4; U14 16 31; U15 18 27 28 31 32 42 43 45 46 48; Y1 1; Y3 1

## Via types
v1: diameter 0.508, hole 0.305, Top Components.Cu to BackComponets.Cu, 1082 vias
v2: diameter 0.338, hole 0.203, Top Components.Cu to BackComponets.Cu, 34 vias

## Routing (per net, layer and track width the routed paths; a pad name or vN(x,y) marks a point on that pad's centre or on a via; arc(x,y) is an arc through that point)
+3.3V: length 394.4
  Top Components.Cu w0.152: D4.2 15.7,41.01 ; 15.7,41.01 15.88,41.19 ; 15.7,41.01 15.88,41.19 ; 15.88,41.19 17.43,41.19 18.52,42.28 v1(18.52,43.28)
  Top Components.Cu w0.203: U4.29 19.25,51.65 18.8,52.1 v1(18.36,52.1) 17.91,52.1 17.46,51.65 17.46,51.11 v1(17.71,50.86) 17.71,50.66 U4.31 ; v1(31.47,61.28) 31.45,61.3 U10.12 ; 16.13,6.76 15.5,6.13 10.35,6.13 R1.2 ; 31.48,22.72 31.48,23.41 31.41,23.48 v1(31.41,23.54) ; U4.38 17.25,46.85 16.7,47.4 v1(16.7,47.41) ; U10.15 32.96,61.72 33.06,61.62 33.72,61.62 v1(34.23,62.13) ; 37.8,57.11 37.8,55.82 37.81,55.81 C125.2 36.7,55.33 ; U9.9 85.1,17.5 v1(85.09,17.52) 85.06,17.54 85.52,18 U9.8 ; v1(34.9,65.59) 34.83,65.52 U10.22 ; v1(32.49,68.24) 32.46,68.21 U10.27 ; 28.75,22 v1(28.75,22.35) ; v1(23.27,44.21) 23.09,44.21 22.74,44.55 U4.9 ; U10.25 33.86,67.24 33.97,67.34 v1(33.97,67.52) ; 28.75,20 28.13,20 28.12,20.01 v1(27.46,20.01) 27.46,20.01 U14.5 ; v1(32.66,16.93) 32.65,16.93 32.48,17.1 32.48,17.78 ; v1(33.35,22.74) 33.33,22.72 32.98,22.72 ; J1.1 18.98,10.62 24.63,10.62 v1(30.93,16.93) 30.93,17.04 30.97,17.08 30.97,17.78 ; v1(31.86,68.22) 31.96,68.12 U10.28 ; 31.98,22.72 31.98,23.38 32.06,23.46 v1(32.06,23.51) ; R29.1 55.15,49.32 R23.2 50.78,45.69 C120.2 ; v1(34.53,21.1) 34.43,21 33.7,21 ; v1(17.49,54.32) 17.25,54.56 17.23,54.56 ; v1(41.66,37.33) 41.66,36.93 ; v1(31.59,16.94) 31.48,17.05 31.48,17.78 ; v1(29.63,37.41) 29.4,37.18 29.4,36.34 28.88,35.82 U1.7 ; 17.23,54.56 17.38,54.41 ; 17.23,54.56 U3.40 ; U10.13 31.96,61.44 v1(32.02,61.38) ; v1(28.98,67.06) 29.23,66.81 U10.1 ; U6.9 v1(86.15,61.48) 86.65,61.98 U6.8 ; U10.5 v1(28.25,64.52)
  Top Components.Cu w0.225: 37.7,10.82 C53.2 36.21,10.82 32.74,14.3 32.74,16.85 v1(32.66,16.93)
  Top Components.Cu w0.305: 31.7,29.24 31.7,28.38 Y1.4 ; 31.7,29.24 30.57,30.37 30.57,32.76 ; 31.7,29.24 31.77,29.31 32.38,29.31 ; 49.02,44.95 48.41,44.35 47.43,44.35 47.12,44.65 v1(47.12,45.31) 46,44.19 v1(46,36.93) 43.17,36.93 ; v1(24.61,49.34) 23.98,49.34 U4.18 ; 43.17,36.93 41.33,36.93 R30.1 39.7,32.67 v1(37.99,30.96) 37.96,30.93 31.5,30.93 v1(30.91,31.52) ; 43.17,36.93 41.66,36.93 ; v1(20.78,43.29) 20.78,42.75 21.08,42.45 v1(21.08,40.58) ; v1(13.68,59.13) U3.29 ; v1(30.92,26.85) 30.92,27.6 ; v1(24.59,48.85) U4.17 ; U11.3 50.58,45.31
  GND2.Cu w0.305: v1(23.27,44.21) 22.35,43.29 v1(20.78,43.29)
  BackComponets.Cu w0.203: v1(29.63,37.41) 30.31,37.41 31.57,38.67 ; v1(32.06,23.51) 32.06,23.13 C21.2 ; v1(47.12,45.31) 45.45,45.31 45.45,45.31 v1(44.68,45.31) ; C24.2 31.59,17.31 v1(31.59,16.94) ; C19.2 30.47,16.93 v1(30.93,16.93) ; C27.2 33.35,22.65 v1(33.35,22.74) ; v1(32.66,16.93) 32.66,17.35 C23.2 ; v1(36.64,55.36) 36.64,55.67 34.9,57.41 v1(34.9,65.59) ; 22.85,54.01 22.84,54.01 v1(22.58,54.27) ; C98.2 31.66,68.02 v1(31.86,68.22) ; C97.2 28.56,64.45 28.32,64.45 v1(28.25,64.52) ; C106.2 34.87,65.61 ; C105.2 32.65,68.08 v1(32.49,68.24) 32.44,68.29 32.44,72.4 v1(31.49,73.35) ; 27.97,20.68 27.97,20.52 v1(27.46,20.01) ; v1(34.23,62.13) 32.77,62.13 v1(32.02,61.38) 31.92,61.28 v1(31.47,61.28) 31.47,61.71 C103.2 30.55,62.08 29.43,63.19 26.48,63.19 26.44,63.16 ; v1(9.64,70.78) 10.51,70.78 ; 26.44,58.44 26.4,58.4 U12.5 ; v1(34.53,21.1) 33.89,21.1
  BackComponets.Cu w0.225: v1(30.18,32.18) 30.19,32.19 v1(30.93,32.19) ; v1(30.18,32.18) 30.18,31.57 v1(30.21,31.54) 30.89,31.54 v1(30.91,31.52) 30.91,32.17 v1(30.93,32.19) ; v1(30.18,32.18) 30.18,32.93 v1(30.15,32.96) 30.81,32.96 v1(30.84,32.93) 30.84,32.28 v1(30.93,32.19)
  BackComponets.Cu w0.305: v1(86.15,61.48) 86.15,59.98 71.57,45.4 71.57,36.91 ; v1(16.7,47.41) 16.65,47.46 16.65,49.08 16.98,49.41 16.98,49.41 17.62,50.05 C3.2 18.04,50.53 v1(17.71,50.86) ; v1(16.7,47.41) 16.38,47.73 C8.2 ; v1(16.7,47.41) 16.7,44.88 18.3,43.28 v1(18.52,43.28) 20.77,43.28 v1(20.78,43.29) ; 31.7,23.54 32.03,23.54 v1(32.06,23.51) 32.58,23.51 v1(33.35,22.74) ; 31.7,23.54 v1(31.41,23.54) ; 31.7,23.54 29.94,23.54 ; v1(46,36.93) 71.55,36.93 71.57,36.91 ; 31.25,67.51 C98.2 ; 31.25,67.51 30.81,67.51 30.62,67.7 29.41,67.7 27.71,66 27.71,64.45 ; 31.25,67.51 31.25,67.52 32.19,67.52 ; C19.2 29.72,17.67 27.96,17.67 27.21,18.42 27.21,19.76 v1(27.46,20.01) 28.06,20.61 ; 15.45,58.38 15.45,61.05 C121.2 10.51,65.99 10.51,71.72 12.88,74.09 15.52,74.09 v1(16.13,74.7) ; 15.45,58.38 15.45,55.18 16.88,53.75 ; 15.45,58.38 14.7,59.13 v1(13.68,59.13) ; 16.88,53.75 16.92,53.75 v1(17.49,54.32) ; 16.88,53.75 C4.2 18.91,52.94 21.78,52.94 26.44,57.6 26.44,64.14 26.76,64.45 27.71,64.45 ; 27.71,64.45 28.18,64.45 v1(28.25,64.52) ; 71.57,36.91 71.57,36.14 85.27,22.44 85.27,19.44 85.98,18.73 85.98,18.27 85.23,17.52 v1(85.09,17.52) ; v1(24.61,49.34) 24.59,49.32 v1(24.59,48.85) 24.36,48.85 24.29,48.78 24.29,45.23 v1(23.27,44.21) ; v1(24.61,49.34) 24.25,49.34 C7.2 ; v1(24.61,49.34) 24.63,49.36 ; 29.66,40.58 29.66,40.61 31.11,42.06 R36.2 ; 29.66,40.58 34.93,35.31 34.93,35.31 35.26,34.98 35.26,34.98 37.99,32.25 v1(37.99,30.96) ; 29.66,40.58 v1(21.08,40.58) ; C22.2 33.86,22.03 ; 29.94,23.54 v1(28.75,22.35) 28.75,21.45 C20.2 ; 29.94,23.54 29.94,25.87 v1(30.92,26.85) ; 32.19,67.52 C105.2 ; 32.19,67.52 v1(33.97,67.52) C106.2 ; v1(30.93,16.93) 31.58,16.93 v1(31.59,16.94) 32.65,16.94 v1(32.66,16.93)
  BackComponets.Cu w0.5: C12.1 30.94,31.83 30.91,31.8
+5V: length 246.2
  Top Components.Cu w0.305: D2.2 20.84,36.16 20.84,34.01 20.26,33.43 L22.2 ; 67.51,19.78 67.71,19.59 L21.2 68.61,18.63 68.78,18.46 R13.1 69.74,18.01 v1(69.8,17.95) ; 67.51,19.78 66.61,20.69 R12.2 R11.2 ; 67.51,19.78 68.29,20.56 C72.2 ; v1(32.89,34) 33.67,33.22 U13.1 ; 69.33,51.14 69.27,51.08 C48.2 ; v1(82.17,11.14) 82.17,7.37 80.35,5.55 74.85,5.55 C63.2 ; R8.2 64.93,62.41 ; R10.1 64.93,63.51 v1(64.93,62.42) ; C65.2 70.9,9.6 ; v1(28.25,35.6) 28.25,34.49
  Top Components.Cu w1: v1(18.86,7.18) 21.06,4.98 68.62,4.98 70.9,7.26 70.9,7.78 ; C47.2 69.87,49.58 69.83,49.62 69.33,49.62 ; C63.2 71.47,7.74 71.43,7.78 70.9,7.78 ; 69.33,49.62 v1(69.33,53.21) ; 69.33,49.62 69.33,48.36 68.26,47.29 59.43,47.29 40.43,28.29 v1(35.53,28.29) ; 70.9,7.78 L14.1
  BackComponets.Cu w0.305: R2.2 31.2,35 30.98,35 ; 30.98,35 28.76,35 v1(28.24,34.48) ; 30.98,35 31.98,34 v1(32.89,34) ; v1(69.33,53.21) 68.84,53.7 v1(68.84,59.27) 68.75,59.27 65.6,62.42 v1(64.93,62.42) ; v1(28.25,35.6) 28.25,36.3 ; v1(82.17,11.14) 82.17,15.71 79.93,17.95 v1(69.8,17.95)
  BackComponets.Cu w0.762: v1(19.95,6.09) 19.97,6.09 20.05,6.01 20.05,5.99 ; v1(19.95,6.09) v1(20.41,5.63) ; v1(19.95,6.09) 19.95,6.1 19.53,6.53 19.52,6.53 v1(19.4,6.64) 19.4,6.66 18.88,7.18 v1(18.86,7.18) 18.87,7.19
  BackComponets.Cu w1: 28.1,34.19 28.37,34.19 v1(28.63,33.93) ; 25.54,31.78 v1(28.24,34.48) ; v1(37.16,28.29) v1(36.65,28.29) v1(36.11,28.29) v1(35.53,28.29) 27.99,28.29 25.4,30.88 C1.1 18.88,31.78 18.87,31.77 ; 18.87,7.19 18.87,30.97 ; 18.87,30.97 18.87,31.77 ; 18.87,30.97 18.87,34.77 ; 18.87,31.77 18.87,35.01 ; 18.47,34.92 C78.2
  vias: v1(18.93,34.64) v1(18.93,32.6) v1(18.95,33.89) v1(18.96,33.2) v1(27.9,33.95)
